# KiCad board fuyu.kicad_pcb (continued)
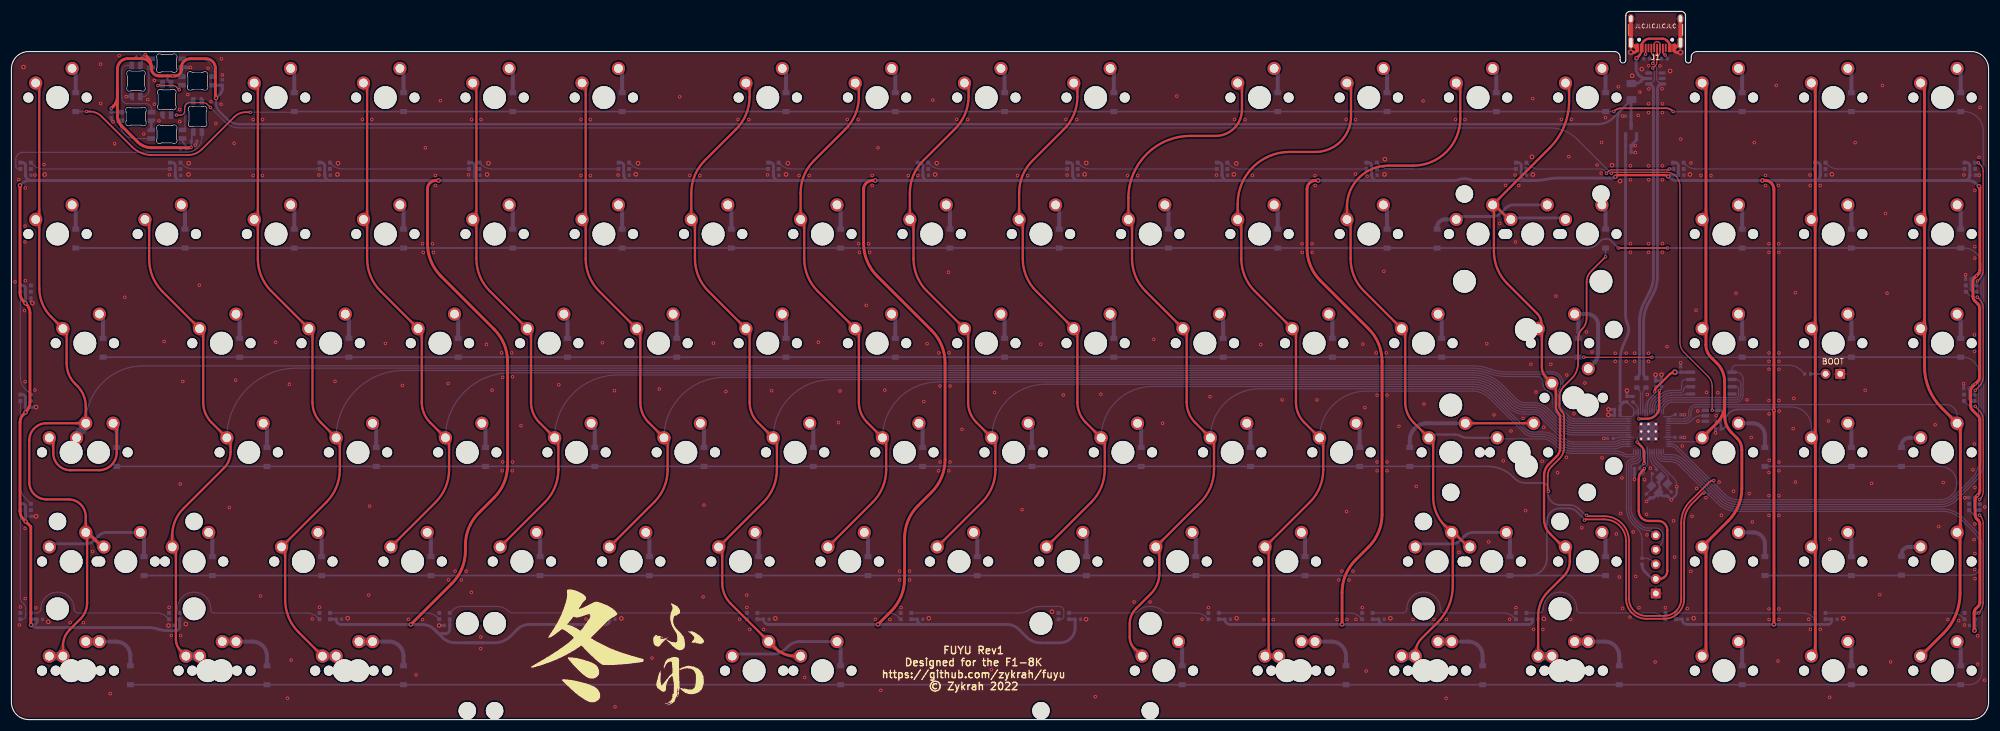
[diagram p0: board, top side]
## Copper pours and planes (outline as drawn; the poured copper is in the pictures) (continued)
COL11 on Top: 218.96,13.18 218.95,12.97 218.91,12.8 218.85,12.67 218.77,12.55 218.67,12.46 218.55,12.38 218.41,12.3 218.27,12.23 218.11,12.15 217.94,12.05 218.21,10.58 219.68,11.06 219.67,11.32 219.64,11.54 219.61,11.73 219.57,11.91 219.52,12.07 219.47,12.24 219.43,12.43 219.4,12.64 219.37,12.89 219.36,13.18
COL11 on Top: 233.72,109.02 233.73,109.3 233.75,109.54 233.78,109.75 233.81,109.93 233.84,110.09 233.88,110.26 233.91,110.43 233.94,110.61 233.96,110.83 233.97,111.08 232.46,111.53 232.31,110.05 232.47,109.97 232.63,109.9 232.78,109.84 232.91,109.77 233.03,109.7 233.13,109.61 233.21,109.51 233.27,109.38 233.31,109.22 233.32,109.02
COL11 on Top: 226.29,50.64 226.47,50.44 226.6,50.26 226.69,50.09 226.75,49.92 226.78,49.76 226.81,49.59 226.83,49.42 226.85,49.23 226.9,49.02 226.97,48.79 228.46,48.76 228.43,50.25 228.2,50.32 227.99,50.36 227.8,50.39 227.62,50.41 227.46,50.43 227.29,50.47 227.13,50.53 226.96,50.61 226.77,50.74 226.57,50.93
COL11 on Top: 220.01,31.88 219.81,31.69 219.62,31.56 219.45,31.48 219.29,31.42 219.12,31.38 218.96,31.36 218.78,31.34 218.59,31.31 218.38,31.27 218.15,31.2 218.12,29.71 219.61,29.74 219.68,29.97 219.73,30.18 219.75,30.37 219.77,30.54 219.8,30.71 219.83,30.87 219.89,31.04 219.98,31.21 220.11,31.39 220.29,31.59
COL11 on Top: 224.12,66.1 224.13,66.39 224.16,66.64 224.19,66.85 224.24,67.04 224.28,67.21 224.33,67.37 224.37,67.55 224.41,67.74 224.43,67.96 224.44,68.22 222.97,68.7 222.7,67.23 222.87,67.13 223.03,67.05 223.18,66.98 223.31,66.9 223.43,66.82 223.53,66.73 223.61,66.61 223.67,66.48 223.71,66.31 223.73,66.1
COL11 on Top: 228.89,47.05 228.9,47.34 228.92,47.59 228.96,47.8 229,47.99 229.05,48.16 229.09,48.32 229.13,48.5 229.17,48.69 229.19,48.91 229.2,49.17 227.74,49.65 227.46,48.18 227.63,48.08 227.79,48 227.94,47.93 228.07,47.85 228.19,47.77 228.29,47.68 228.37,47.56 228.44,47.43 228.47,47.26 228.49,47.05
COL11 on Top: 219.36,28 219.37,28.29 219.4,28.54 219.43,28.75 219.47,28.94 219.52,29.11 219.57,29.27 219.61,29.45 219.64,29.64 219.67,29.86 219.68,30.12 218.21,30.6 217.94,29.13 218.11,29.03 218.27,28.95 218.41,28.88 218.55,28.8 218.67,28.72 218.77,28.63 218.85,28.51 218.91,28.38 218.95,28.21 218.96,28
COL11 on Top: 213.56,89.56 213.55,89.29 213.51,89.06 213.46,88.88 213.38,88.72 213.29,88.58 213.19,88.45 213.08,88.31 212.96,88.16 212.85,87.98 212.73,87.77 213.76,86.69 214.8,87.77 214.68,87.98 214.57,88.16 214.45,88.31 214.34,88.45 214.24,88.58 214.15,88.72 214.07,88.88 214.02,89.06 213.98,89.29 213.96,89.56
COL11 on Top: 221.53,69.69 221.71,69.49 221.84,69.31 221.93,69.14 221.99,68.97 222.02,68.81 222.04,68.64 222.06,68.47 222.09,68.28 222.13,68.07 222.2,67.84 223.7,67.81 223.67,69.3 223.44,69.37 223.23,69.41 223.04,69.44 222.86,69.46 222.69,69.48 222.53,69.52 222.37,69.58 222.19,69.66 222.01,69.79 221.81,69.98
COL11 on Bottom: 218.62,10.56 218.88,10.56 219.1,10.54 219.29,10.51 219.45,10.47 219.6,10.42 219.75,10.36 219.89,10.29 220.21,10.13 220.41,10.03 221.48,11.06 220.41,12.1 220.21,12 219.89,11.84 219.75,11.77 219.6,11.71 219.45,11.66 219.29,11.62 219.1,11.59 218.88,11.57 218.62,11.56
COL11 on Bottom: 220.82,11.56 220.56,11.57 220.34,11.59 220.15,11.62 219.98,11.66 219.83,11.71 219.69,11.77 219.54,11.84 219.22,12 219.03,12.1 217.95,11.06 219.03,10.03 219.22,10.13 219.54,10.29 219.69,10.36 219.83,10.42 219.98,10.47 220.15,10.51 220.34,10.54 220.56,10.56 220.82,10.56
COL11 on Bottom: 228.28,51.46 228.19,51.19 228.08,50.97 227.97,50.8 227.86,50.65 227.73,50.53 227.6,50.41 227.47,50.28 227.33,50.13 227.2,49.96 227.06,49.74 228.01,48.59 229.12,49.59 229.02,49.81 228.9,50 228.79,50.16 228.68,50.31 228.58,50.45 228.49,50.6 228.43,50.76 228.4,50.94 228.42,51.15 228.47,51.41
COL12 on Top: 240.58,69.69 240.76,69.49 240.89,69.31 240.98,69.14 241.04,68.97 241.07,68.81 241.09,68.64 241.11,68.47 241.14,68.28 241.18,68.07 241.25,67.84 242.75,67.81 242.72,69.3 242.49,69.37 242.28,69.41 242.09,69.44 241.91,69.46 241.74,69.48 241.58,69.52 241.42,69.58 241.24,69.66 241.06,69.79 240.86,69.98
COL12 on Top: 232.71,90.65 232.64,90.24 232.58,89.89 232.51,89.59 232.45,89.33 232.37,89.1 232.29,88.87 232.19,88.63 232.08,88.38 231.94,88.1 231.78,87.77 232.81,86.69 233.85,87.77 233.69,88.09 233.54,88.36 233.4,88.61 233.28,88.84 233.18,89.07 233.11,89.3 233.06,89.56 233.04,89.85 233.05,90.19 233.1,90.58
COL12 on Top: 243.18,66.1 243.18,66.39 243.21,66.64 243.24,66.85 243.29,67.04 243.33,67.21 243.38,67.37 243.42,67.55 243.46,67.74 243.48,67.96 243.49,68.22 242.02,68.7 241.75,67.23 241.92,67.13 242.08,67.05 242.23,66.98 242.36,66.9 242.48,66.82 242.58,66.73 242.66,66.61 242.72,66.48 242.76,66.31 242.78,66.1
COL12 on Top: 248.99,34.59 249.19,34.3 249.34,34.06 249.46,33.84 249.55,33.63 249.63,33.44 249.69,33.25 249.75,33.04 249.81,32.82 249.89,32.57 249.98,32.28 251.48,32.25 251.45,33.74 251.17,33.83 250.91,33.89 250.68,33.94 250.47,33.99 250.27,34.05 250.08,34.12 249.9,34.22 249.71,34.37 249.52,34.56 249.32,34.82
COL12 on Top: 253,31.38 252.81,31.59 252.66,31.78 252.56,31.97 252.48,32.14 252.43,32.31 252.38,32.48 252.33,32.65 252.26,32.84 252.17,33.04 252.04,33.27 250.58,32.96 250.95,31.51 251.18,31.5 251.38,31.5 251.73,31.51 251.89,31.51 252.05,31.49 252.2,31.45 252.36,31.37 252.54,31.26 252.72,31.09
COL12 on Top: 252.35,31.46 252.55,31.25 252.69,31.06 252.79,30.88 252.86,30.71 252.91,30.54 252.99,30.19 253.05,30 253.12,29.79 253.24,29.57 254.71,29.78 254.44,31.25 254.21,31.28 254.01,31.29 253.82,31.29 253.65,31.29 253.48,31.3 253.32,31.32 253.16,31.37 253,31.45 252.83,31.57 252.64,31.74
COL12 on Top: 248.05,47.13 248.05,47.41 248.07,47.65 248.09,47.85 248.12,48.03 248.15,48.2 248.18,48.36 248.21,48.52 248.23,48.71 248.25,48.92 248.25,49.17 246.73,49.6 246.63,48.12 246.8,48.05 246.96,47.98 247.1,47.92 247.23,47.86 247.35,47.79 247.45,47.71 247.53,47.61 247.59,47.48 247.63,47.32 247.65,47.13
COL12 on Top: 251.47,30.37 251.48,30.66 251.51,30.89 251.57,31.09 251.64,31.26 251.72,31.41 251.91,31.72 252,31.89 252.09,32.09 252.18,32.34 250.97,33.22 250.14,31.99 250.28,31.8 250.41,31.65 250.55,31.52 250.67,31.4 250.78,31.28 250.87,31.15 250.95,31.01 251.01,30.83 251.05,30.62 251.06,30.37
COL12 on Top: 252.77,109.02 252.78,109.3 252.8,109.54 252.83,109.75 252.86,109.93 252.89,110.09 252.93,110.26 252.96,110.43 252.99,110.61 253.01,110.83 253.02,111.08 251.51,111.53 251.36,110.05 251.52,109.97 251.68,109.9 251.83,109.84 251.96,109.77 252.08,109.7 252.18,109.61 252.26,109.51 252.32,109.38 252.36,109.22 252.37,109.02
COL12 on Top: 233.65,85.15 233.66,85.44 233.68,85.69 233.72,85.9 233.76,86.09 233.81,86.26 233.85,86.42 233.9,86.6 233.93,86.79 233.96,87.01 233.97,87.27 232.5,87.75 232.23,86.28 232.39,86.18 232.55,86.1 232.7,86.03 232.83,85.95 232.95,85.87 233.06,85.78 233.14,85.66 233.2,85.53 233.24,85.36 233.25,85.15
COL12 on Top: 245.34,50.64 245.52,50.44 245.65,50.26 245.74,50.09 245.8,49.92 245.83,49.76 245.86,49.59 245.88,49.42 245.9,49.23 245.95,49.02 246.02,48.79 247.51,48.76 247.48,50.25 247.25,50.32 247.04,50.36 246.85,50.39 246.67,50.41 246.51,50.43 246.34,50.47 246.18,50.53 246.01,50.61 245.82,50.74 245.62,50.93
COL12 on Top: 245.03,13.39 244.88,13.13 244.74,12.92 244.62,12.75 244.5,12.61 244.38,12.48 244.26,12.35 244.14,12.22 244.02,12.07 243.89,11.89 243.74,11.67 244.66,10.49 245.8,11.46 245.71,11.66 245.61,11.85 245.51,12.01 245.41,12.16 245.33,12.31 245.27,12.46 245.23,12.61 245.23,12.78 245.28,12.98 245.38,13.2
COL12 on Bottom: 256.72,48.97 256.99,48.95 257.21,48.91 257.39,48.86 257.55,48.78 257.69,48.69 257.82,48.59 257.96,48.48 258.12,48.36 258.29,48.25 258.51,48.13 259.58,49.17 258.51,50.2 258.29,50.08 258.12,49.97 257.96,49.85 257.82,49.74 257.69,49.64 257.55,49.55 257.39,49.47 257.21,49.42 256.99,49.38 256.72,49.37
COL12 on Bottom: 249.27,49.93 248.96,49.94 248.71,49.97 248.5,50.01 248.31,50.06 248.13,50.12 247.96,50.18 247.79,50.23 247.59,50.27 247.37,50.3 247.1,50.31 246.6,48.89 248.04,48.5 248.15,48.67 248.25,48.83 248.33,48.98 248.42,49.11 248.51,49.23 248.61,49.33 248.73,49.41 248.87,49.48 249.05,49.51 249.27,49.53
COL12 on Bottom: 244.63,11.81 244.38,11.82 244.15,11.82 243.95,11.82 243.78,11.83 243.61,11.85 243.46,11.88 243.31,11.91 243.16,11.96 243.01,12.02 242.84,12.1 241.77,11.06 242.84,10.03 243.01,10.11 243.16,10.17 243.31,10.22 243.46,10.25 243.61,10.28 243.78,10.3 243.95,10.31 244.15,10.31 244.38,10.31 244.63,10.31
COL12 on Bottom: 242.43,10.31 242.69,10.31 242.91,10.31 243.11,10.31 243.28,10.3 243.45,10.28 243.6,10.25 243.75,10.22 243.9,10.17 244.05,10.11 244.22,10.03 245.3,11.06 244.22,12.1 244.05,12.02 243.9,11.96 243.75,11.91 243.6,11.88 243.45,11.85 243.28,11.83 243.11,11.82 242.91,11.82 242.69,11.82 242.43,11.81
COL12 on Bottom: 261.3,49.09 261.04,49.1 260.82,49.15 260.65,49.22 260.51,49.31 260.38,49.42 260.27,49.54 260.15,49.67 260.01,49.82 259.85,49.96 259.66,50.11 258.44,49.25 259.34,48.07 259.59,48.16 259.79,48.26 259.96,48.36 260.12,48.47 260.26,48.58 260.41,48.68 260.58,48.76 260.77,48.83 261.01,48.87 261.3,48.89
COL13 on Top: 260.13,88.5 259.94,88.71 259.79,88.9 259.69,89.08 259.62,89.26 259.57,89.42 259.52,89.59 259.47,89.77 259.41,89.96 259.32,90.16 259.2,90.39 257.74,90.12 258.06,88.67 258.29,88.64 258.49,88.64 258.85,88.65 259.01,88.64 259.17,88.62 259.33,88.58 259.49,88.5 259.66,88.38 259.85,88.21
COL13 on Top: 268.97,31.38 269.17,31.17 269.31,30.97 269.42,30.79 269.49,30.61 269.55,30.44 269.6,30.27 269.66,30.1 269.73,29.91 269.82,29.71 269.95,29.49 271.41,29.82 271.02,31.26 270.79,31.27 270.59,31.27 270.24,31.25 270.08,31.25 269.92,31.27 269.77,31.31 269.61,31.38 269.44,31.5 269.25,31.66
COL13 on Top: 258.63,87.53 258.65,87.81 258.68,88.05 258.74,88.25 258.81,88.42 258.89,88.58 258.98,88.73 259.07,88.89 259.16,89.06 259.25,89.27 259.33,89.51 258.11,90.37 257.29,89.12 257.44,88.94 257.58,88.79 257.71,88.66 257.84,88.54 257.95,88.42 258.04,88.3 258.12,88.15 258.18,87.98 258.22,87.78 258.23,87.53
COL13 on Top: 266.74,60.58 266.85,60.27 266.94,60.01 267.01,59.78 267.06,59.58 267.17,59.21 267.22,59.03 267.28,58.82 267.36,58.59 267.45,58.31 268.94,58.28 268.91,59.78 268.67,59.85 268.44,59.89 268.02,59.96 267.83,60 267.65,60.06 267.5,60.15 267.36,60.28 267.23,60.46 267.12,60.71
COL13 on Top: 266.22,70.23 266.3,70.07 266.32,69.93 266.3,69.81 266.24,69.7 266.15,69.6 266.04,69.51 265.91,69.42 265.62,69.24 265.47,69.14 265.88,67.71 267.14,68.8 267.05,68.98 266.98,69.15 266.93,69.3 266.9,69.44 266.88,69.58 266.85,69.72 266.81,69.87 266.76,70.04 266.68,70.22 266.57,70.43
COL13 on Top: 265.95,13.35 265.94,13.09 265.9,12.86 265.84,12.68 265.77,12.52 265.68,12.38 265.57,12.25 265.46,12.11 265.35,11.96 265.23,11.78 265.12,11.57 266.15,10.49 267.19,11.57 267.07,11.78 266.96,11.96 266.84,12.11 266.73,12.25 266.63,12.38 266.54,12.52 266.46,12.68 266.4,12.86 266.37,13.09 266.35,13.35
COL13 on Top: 259.48,88.58 259.68,88.37 259.82,88.17 259.92,87.99 259.99,87.82 260.04,87.65 260.09,87.48 260.13,87.31 260.19,87.12 260.28,86.91 260.4,86.69 261.87,86.94 261.55,88.4 261.33,88.43 261.12,88.43 260.94,88.43 260.76,88.43 260.6,88.43 260.44,88.45 260.29,88.5 260.12,88.58 259.95,88.69 259.76,88.86
COL13 on Top: 271.87,28.09 271.87,28.37 271.89,28.6 271.91,28.8 271.94,28.98 271.97,29.15 271.99,29.31 272.02,29.47 272.04,29.66 272.06,29.87 272.06,30.12 270.54,30.55 270.45,29.06 270.62,28.99 270.78,28.93 270.92,28.87 271.05,28.81 271.17,28.74 271.27,28.66 271.35,28.56 271.41,28.43 271.45,28.28 271.47,28.09
COL13 on Top: 271.74,108.96 271.75,109.25 271.78,109.5 271.81,109.71 271.86,109.9 271.9,110.07 271.95,110.23 272,110.41 272.03,110.6 272.06,110.82 272.06,111.08 270.6,111.56 270.32,110.09 270.49,110 270.65,109.92 270.79,109.84 270.93,109.76 271.05,109.68 271.15,109.59 271.23,109.47 271.29,109.34 271.33,109.17 271.34,108.96
COL13 on Top: 266.99,66.1 267,66.39 267.02,66.64 267.06,66.85 267.1,67.04 267.15,67.21 267.19,67.37 267.23,67.55 267.27,67.74 267.29,67.96 267.3,68.22 265.84,68.7 265.56,67.23 265.73,67.13 265.89,67.05 266.04,66.98 266.17,66.9 266.29,66.82 266.39,66.73 266.47,66.61 266.54,66.48 266.57,66.31 266.59,66.1
COL13 on Top: 269.43,56.62 269.43,56.91 269.45,57.15 269.48,57.35 269.52,57.53 269.55,57.7 269.59,57.87 269.63,58.04 269.66,58.22 269.68,58.44 269.68,58.69 268.19,59.15 268.01,57.67 268.17,57.59 268.48,57.45 268.61,57.38 268.73,57.31 268.83,57.22 268.91,57.11 268.97,56.98 269.01,56.82 269.03,56.62
COL13 on Top: 259.69,91.57 259.49,91.38 259.31,91.25 259.14,91.17 258.97,91.11 258.81,91.07 258.64,91.05 258.47,91.03 258.28,91 258.07,90.96 257.84,90.89 257.81,89.4 259.3,89.43 259.37,89.66 259.41,89.87 259.44,90.06 259.46,90.23 259.48,90.4 259.52,90.56 259.58,90.73 259.66,90.9 259.79,91.08 259.98,91.28
COL13 on Bottom: 269.25,56.56 269.26,56.86 269.29,57.11 269.34,57.32 269.4,57.5 269.46,57.67 269.53,57.83 269.59,58.01 269.64,58.2 269.67,58.42 269.68,58.69 268.23,59.18 267.92,57.72 268.1,57.61 268.27,57.53 268.43,57.45 268.58,57.38 268.71,57.3 268.82,57.2 268.92,57.09 268.99,56.95 269.03,56.78 269.05,56.56
COL13 on Bottom: 263.67,87.79 263.37,87.8 263.13,87.83 262.93,87.88 262.75,87.95 262.59,88.02 262.43,88.09 262.27,88.17 262.09,88.25 261.88,88.33 261.63,88.39 260.83,87.13 262.12,86.38 262.29,86.53 262.43,86.66 262.55,86.8 262.67,86.91 262.78,87.02 262.91,87.11 263.05,87.19 263.22,87.24 263.42,87.28 263.67,87.29
COL13 on Bottom: 268.44,11.81 268.19,11.82 267.96,11.82 267.77,11.82 267.59,11.83 267.43,11.85 267.27,11.88 267.13,11.91 266.98,11.96 266.82,12.02 266.65,12.1 265.58,11.06 266.65,10.03 266.82,10.11 266.98,10.17 267.13,10.22 267.27,10.25 267.43,10.28 267.59,10.3 267.77,10.31 267.96,10.31 268.19,10.31 268.44,10.31
COL13 on Bottom: 268.64,87.29 268.88,87.28 269.09,87.24 269.25,87.19 269.4,87.11 269.52,87.02 269.64,86.91 269.75,86.8 269.88,86.66 270.02,86.53 270.18,86.38 271.47,87.13 270.67,88.39 270.43,88.33 270.22,88.25 270.04,88.17 269.87,88.09 269.72,88.02 269.55,87.95 269.38,87.88 269.17,87.83 268.93,87.8 268.64,87.79
COL13 on Bottom: 266.24,10.31 266.5,10.31 266.72,10.31 266.92,10.31 267.1,10.3 267.26,10.28 267.41,10.25 267.56,10.22 267.71,10.17 267.87,10.11 268.03,10.03 269.11,11.06 268.03,12.1 267.87,12.02 267.71,11.96 267.56,11.91 267.41,11.88 267.26,11.85 267.1,11.83 266.92,11.82 266.72,11.82 266.5,11.82 266.24,11.81
COL14 on Top: 295.65,85.18 295.65,85.47 295.67,85.71 295.7,85.92 295.73,86.1 295.76,86.27 295.8,86.44 295.83,86.61 295.85,86.8 295.87,87.01 295.88,87.27 294.39,87.73 294.18,86.26 294.34,86.17 294.49,86.1 294.63,86.03 294.76,85.95 294.87,85.87 294.96,85.78 295.04,85.67 295.1,85.54 295.13,85.38 295.15,85.18
COL14 on Top: 295.16,13.15 295.14,12.95 295.11,12.79 295.05,12.66 294.97,12.55 294.88,12.46 294.77,12.38 294.64,12.3 294.5,12.23 294.34,12.16 294.18,12.08 294.39,10.6 295.88,11.06 295.87,11.32 295.85,11.53 295.83,11.72 295.8,11.89 295.77,12.06 295.73,12.23 295.7,12.41 295.68,12.62 295.66,12.86 295.66,13.15
COL14 on Top: 295.66,28.03 295.66,28.32 295.68,28.56 295.7,28.77 295.73,28.95 295.77,29.12 295.8,29.29 295.83,29.46 295.85,29.65 295.87,29.86 295.88,30.12 294.39,30.58 294.18,29.1 294.34,29.02 294.5,28.95 294.64,28.88 294.77,28.8 294.88,28.72 294.97,28.63 295.05,28.52 295.11,28.39 295.14,28.23 295.16,28.03
COL14 on Top: 295.66,108.99 295.66,109.28 295.68,109.52 295.7,109.73 295.73,109.91 295.77,110.08 295.8,110.25 295.83,110.42 295.85,110.61 295.87,110.82 295.88,111.08 294.39,111.54 294.18,110.06 294.34,109.98 294.5,109.91 294.64,109.84 294.77,109.77 294.88,109.69 294.97,109.6 295.05,109.49 295.11,109.35 295.14,109.19 295.16,108.99
COL14 on Top: 295.15,70.3 295.13,70.1 295.1,69.94 295.04,69.81 294.96,69.7 294.87,69.61 294.76,69.53 294.63,69.45 294.49,69.38 294.34,69.31 294.18,69.22 294.39,67.75 295.88,68.22 295.87,68.47 295.85,68.68 295.83,68.87 295.8,69.04 295.76,69.21 295.73,69.38 295.7,69.56 295.67,69.77 295.65,70.01 295.65,70.3
COL14 on Top: 295.65,66.13 295.65,66.42 295.67,66.66 295.7,66.87 295.73,67.05 295.76,67.22 295.8,67.39 295.83,67.56 295.85,67.75 295.87,67.96 295.88,68.22 294.39,68.68 294.18,67.21 294.34,67.12 294.49,67.05 294.63,66.98 294.76,66.9 294.87,66.82 294.96,66.73 295.04,66.62 295.1,66.49 295.13,66.33 295.15,66.13
COL14 on Top: 296.17,50.96 295.97,50.78 295.79,50.65 295.62,50.56 295.46,50.49 295.3,50.45 295.14,50.42 294.97,50.4 294.78,50.37 294.58,50.32 294.35,50.25 294.32,48.76 295.81,48.79 295.88,49.02 295.93,49.22 295.96,49.41 295.99,49.58 296.01,49.74 296.06,49.9 296.12,50.06 296.21,50.23 296.34,50.41 296.52,50.61
COL14 on Top: 295.16,89.35 295.14,89.15 295.11,88.99 295.05,88.86 294.97,88.75 294.88,88.66 294.77,88.58 294.64,88.5 294.5,88.43 294.34,88.36 294.18,88.28 294.39,86.8 295.88,87.27 295.87,87.52 295.85,87.73 295.83,87.92 295.8,88.09 295.77,88.26 295.73,88.43 295.7,88.61 295.68,88.82 295.66,89.06 295.66,89.35
COL14 on Top: 296.17,31.91 295.97,31.73 295.79,31.6 295.62,31.51 295.46,31.44 295.3,31.4 295.14,31.37 294.97,31.35 294.78,31.32 294.58,31.27 294.35,31.2 294.32,29.71 295.81,29.74 295.88,29.97 295.93,30.17 295.96,30.36 295.99,30.53 296.01,30.69 296.06,30.85 296.12,31.01 296.21,31.18 296.34,31.36 296.52,31.56
COL14 on Bottom: 292.65,48.37 292.94,48.36 293.18,48.33 293.39,48.29 293.57,48.25 293.73,48.19 293.9,48.14 294.07,48.09 294.25,48.05 294.47,48.02 294.73,48.02 295.19,49.51 293.71,49.69 293.62,49.51 293.55,49.34 293.49,49.18 293.42,49.03 293.35,48.9 293.27,48.79 293.16,48.7 293.03,48.63 292.86,48.59 292.65,48.57
COL15 on Top: 314.71,108.99 314.71,109.28 314.73,109.52 314.75,109.73 314.78,109.91 314.82,110.08 314.85,110.25 314.88,110.42 314.9,110.61 314.92,110.82 314.93,111.08 313.44,111.54 313.23,110.06 313.39,109.98 313.55,109.91 313.69,109.84 313.82,109.77 313.93,109.69 314.02,109.6 314.1,109.49 314.16,109.35 314.19,109.19 314.21,108.99
COL15 on Top: 314.19,70.3 314.18,70.1 314.15,69.94 314.09,69.81 314.01,69.7 313.92,69.61 313.81,69.53 313.68,69.45 313.54,69.38 313.39,69.31 313.23,69.22 313.44,67.75 314.93,68.22 314.92,68.47 314.9,68.68 314.88,68.87 314.85,69.04 314.81,69.21 314.78,69.38 314.75,69.56 314.72,69.77 314.7,70.01 314.69,70.3
COL15 on Top: 314.69,85.18 314.7,85.47 314.72,85.71 314.75,85.92 314.78,86.1 314.81,86.27 314.85,86.44 314.88,86.61 314.9,86.8 314.92,87.01 314.93,87.27 313.44,87.73 313.23,86.26 313.39,86.17 313.54,86.1 313.68,86.03 313.81,85.95 313.92,85.87 314.01,85.78 314.09,85.67 314.15,85.54 314.18,85.38 314.19,85.18
COL15 on Top: 314.72,28.04 314.72,28.32 314.74,28.57 314.76,28.77 314.79,28.96 314.82,29.13 314.85,29.29 314.88,29.46 314.91,29.65 314.92,29.86 314.93,30.12 313.44,30.58 313.24,29.1 313.41,29.02 313.56,28.94 313.7,28.88 313.83,28.8 313.94,28.73 314.03,28.64 314.11,28.53 314.17,28.4 314.2,28.23 314.22,28.04
COL15 on Top: 314.21,51.25 314.19,51.05 314.16,50.89 314.1,50.76 314.02,50.65 313.93,50.56 313.82,50.48 313.69,50.4 313.55,50.33 313.39,50.26 313.23,50.18 313.44,48.7 314.93,49.17 314.92,49.42 314.9,49.63 314.88,49.82 314.85,49.99 314.82,50.16 314.78,50.33 314.75,50.51 314.73,50.72 314.71,50.96 314.71,51.25
COL15 on Top: 314.21,89.35 314.19,89.15 314.16,88.99 314.1,88.86 314.02,88.75 313.93,88.66 313.82,88.58 313.69,88.5 313.55,88.43 313.39,88.36 313.23,88.28 313.44,86.8 314.93,87.27 314.92,87.52 314.9,87.73 314.88,87.92 314.85,88.09 314.82,88.26 314.78,88.43 314.75,88.61 314.73,88.82 314.71,89.06 314.71,89.35
COL15 on Top: 314.23,32.18 314.21,31.99 314.18,31.83 314.12,31.7 314.04,31.59 313.95,31.5 313.84,31.42 313.71,31.35 313.57,31.29 313.42,31.22 313.26,31.14 313.43,29.66 314.93,30.12 314.92,30.36 314.91,30.58 314.88,30.76 314.86,30.93 314.83,31.1 314.8,31.27 314.77,31.45 314.75,31.66 314.73,31.9 314.73,32.18
COL15 on Top: 314.71,66.13 314.71,66.42 314.73,66.66 314.75,66.87 314.78,67.05 314.82,67.22 314.85,67.39 314.88,67.56 314.9,67.75 314.92,67.96 314.93,68.22 313.44,68.68 313.23,67.2 313.39,67.12 313.55,67.05 313.69,66.98 313.82,66.9 313.93,66.82 314.02,66.73 314.1,66.62 314.16,66.49 314.19,66.33 314.21,66.13
COL15 on Top: 314.22,13.14 314.2,12.95 314.17,12.78 314.11,12.65 314.03,12.54 313.94,12.45 313.83,12.38 313.7,12.3 313.56,12.24 313.41,12.16 313.24,12.08 313.44,10.6 314.93,11.06 314.92,11.32 314.91,11.53 314.88,11.72 314.85,11.89 314.82,12.05 314.79,12.22 314.76,12.41 314.74,12.61 314.72,12.86 314.72,13.14
COL15 on Top: 314.73,47.1 314.73,47.38 314.75,47.62 314.77,47.83 314.8,48.01 314.83,48.18 314.86,48.35 314.88,48.52 314.91,48.7 314.92,48.92 314.93,49.17 313.43,49.62 313.26,48.14 313.42,48.06 313.57,47.99 313.71,47.93 313.84,47.86 313.95,47.78 314.04,47.69 314.12,47.58 314.18,47.45 314.21,47.29 314.23,47.1
COL15 on Bottom: 313.5,52.16 313.59,51.82 313.63,51.53 313.61,51.28 313.56,51.05 313.47,50.84 313.35,50.64 313.21,50.43 313.06,50.21 312.9,49.96 312.74,49.67 313.78,48.59 314.81,49.67 314.66,49.97 314.53,50.24 314.41,50.46 314.31,50.67 314.21,50.87 314.12,51.08 314.03,51.3 313.92,51.56 313.81,51.87 313.68,52.23
COL16 on Top: 340,49.56 340.01,49.86 340.04,50.11 340.07,50.32 340.12,50.51 340.17,50.68 340.21,50.85 340.26,51.03 340.29,51.22 340.32,51.44 340.33,51.7 338.89,52.2 338.53,50.75 338.7,50.65 338.99,50.47 339.12,50.39 339.23,50.3 339.32,50.2 339.4,50.08 339.46,49.94 339.49,49.77 339.5,49.56
COL16 on Top: 333.25,70.3 333.24,70.1 333.21,69.94 333.15,69.81 333.07,69.7 332.98,69.61 332.87,69.53 332.74,69.45 332.6,69.38 332.44,69.31 332.28,69.23 332.49,67.75 333.98,68.22 333.97,68.47 333.95,68.68 333.93,68.87 333.9,69.04 333.87,69.21 333.83,69.38 333.8,69.56 333.78,69.77 333.76,70.01 333.75,70.3
COL16 on Top: 333.75,108.99 333.75,109.28 333.77,109.52 333.8,109.73 333.83,109.91 333.86,110.08 333.9,110.25 333.93,110.42 333.95,110.61 333.97,110.82 333.98,111.08 332.49,111.55 332.28,110.07 332.44,109.98 332.59,109.91 332.73,109.84 332.86,109.77 332.97,109.69 333.06,109.6 333.14,109.49 333.2,109.35 333.23,109.19 333.25,108.99
COL16 on Top: 333.75,85.18 333.76,85.47 333.78,85.71 333.8,85.92 333.83,86.1 333.87,86.27 333.9,86.44 333.93,86.61 333.95,86.8 333.97,87.01 333.98,87.27 332.49,87.73 332.28,86.25 332.44,86.17 332.6,86.1 332.74,86.03 332.87,85.95 332.98,85.87 333.07,85.78 333.15,85.67 333.21,85.54 333.24,85.38 333.25,85.18
COL16 on Top: 339.5,34.8 339.49,34.59 339.46,34.42 339.4,34.28 339.32,34.16 339.23,34.06 339.12,33.97 338.99,33.89 338.7,33.71 338.53,33.61 338.89,32.16 340.33,32.66 340.32,32.92 340.29,33.14 340.26,33.33 340.21,33.51 340.17,33.68 340.12,33.85 340.07,34.04 340.04,34.25 340.01,34.5 340,34.8
COL16 on Top: 337.38,53.15 337.56,52.95 337.69,52.77 337.79,52.6 337.85,52.44 337.89,52.28 337.92,52.12 337.95,51.95 337.98,51.76 338.02,51.56 338.09,51.33 339.58,51.3 339.55,52.79 339.33,52.86 339.12,52.91 338.94,52.94 338.77,52.96 338.6,52.99 338.44,53.03 338.28,53.1 338.11,53.19 337.93,53.32 337.74,53.5
COL16 on Top: 339.94,30.48 339.96,30.78 339.98,31.04 340.03,31.25 340.08,31.44 340.14,31.62 340.19,31.79 340.24,31.97 340.29,32.16 340.32,32.39 340.33,32.66 338.92,33.17 338.48,31.74 338.64,31.63 338.79,31.52 338.93,31.43 339.06,31.34 339.17,31.25 339.26,31.14 339.34,31.02 339.4,30.87 339.43,30.69 339.44,30.48
COL16 on Top: 333.75,66.13 333.76,66.42 333.78,66.66 333.8,66.87 333.83,67.05 333.87,67.22 333.9,67.39 333.93,67.56 333.95,67.75 333.97,67.96 333.98,68.22 332.49,68.68 332.28,67.2 332.44,67.12 332.6,67.05 332.74,66.98 332.87,66.9 332.98,66.82 333.07,66.73 333.15,66.62 333.21,66.49 333.24,66.33 333.25,66.13
COL16 on Top: 333.25,89.35 333.23,89.15 333.2,88.99 333.14,88.86 333.06,88.75 332.97,88.66 332.86,88.58 332.73,88.5 332.59,88.43 332.44,88.36 332.28,88.27 332.49,86.8 333.98,87.27 333.97,87.52 333.95,87.73 333.93,87.92 333.9,88.09 333.86,88.26 333.83,88.43 333.8,88.61 333.77,88.82 333.75,89.06 333.75,89.35
COL16 on Top: 334.27,12.86 334.07,12.68 333.89,12.55 333.72,12.46 333.56,12.39 333.4,12.35 333.24,12.32 333.07,12.3 332.88,12.27 332.68,12.22 332.45,12.15 332.42,10.66 333.91,10.69 333.98,10.92 334.03,11.12 334.06,11.31 334.09,11.48 334.11,11.64 334.16,11.8 334.22,11.96 334.31,12.13 334.44,12.31 334.62,12.51
COL16 on Bottom: 338.76,54.08 338.89,53.85 338.95,53.65 338.94,53.47 338.89,53.3 338.8,53.14 338.69,52.97 338.55,52.81 338.41,52.63 338.27,52.43 338.14,52.21 339.18,51.13 340.12,52.36 339.97,52.58 339.85,52.77 339.74,52.94 339.64,53.09 339.45,53.39 339.35,53.55 339.23,53.73 339.09,53.95 338.92,54.19
ROW0 on Bottom: 340.82,106.16 340.7,106.18 340.6,106.2 340.52,106.23 340.45,106.26 340.38,106.29 340.32,106.33 340.18,106.41 340.1,106.45 340.01,106.5 339.59,106.09 340.01,105.69 340.1,105.74 340.18,105.78 340.31,105.87 340.37,105.91 340.43,105.94 340.51,105.96 340.59,105.97 340.68,105.97 340.8,105.96
ROW1 on Bottom: 340.86,82.35 340.74,82.37 340.63,82.39 340.54,82.42 340.47,82.45 340.4,82.48 340.33,82.51 340.19,82.59 340.11,82.64 340.01,82.69 339.59,82.28 340.01,81.88 340.1,81.93 340.18,81.97 340.32,82.06 340.39,82.1 340.45,82.13 340.53,82.15 340.61,82.16 340.71,82.16 340.83,82.15
SWCLK on Bottom: 287.74,31.14 287.67,30.95 287.58,30.8 287.47,30.7 287.35,30.63 287.22,30.59 287.07,30.56 286.91,30.54 286.74,30.52 286.56,30.48 286.37,30.43 286.34,29.32 287.46,29.39 287.52,29.6 287.57,29.77 287.81,30.66 287.87,30.85 287.94,31.09
